# Altium PCB LimeSDR-QPCIe_1v2.PcbDoc (part 20 of 21) (continued)
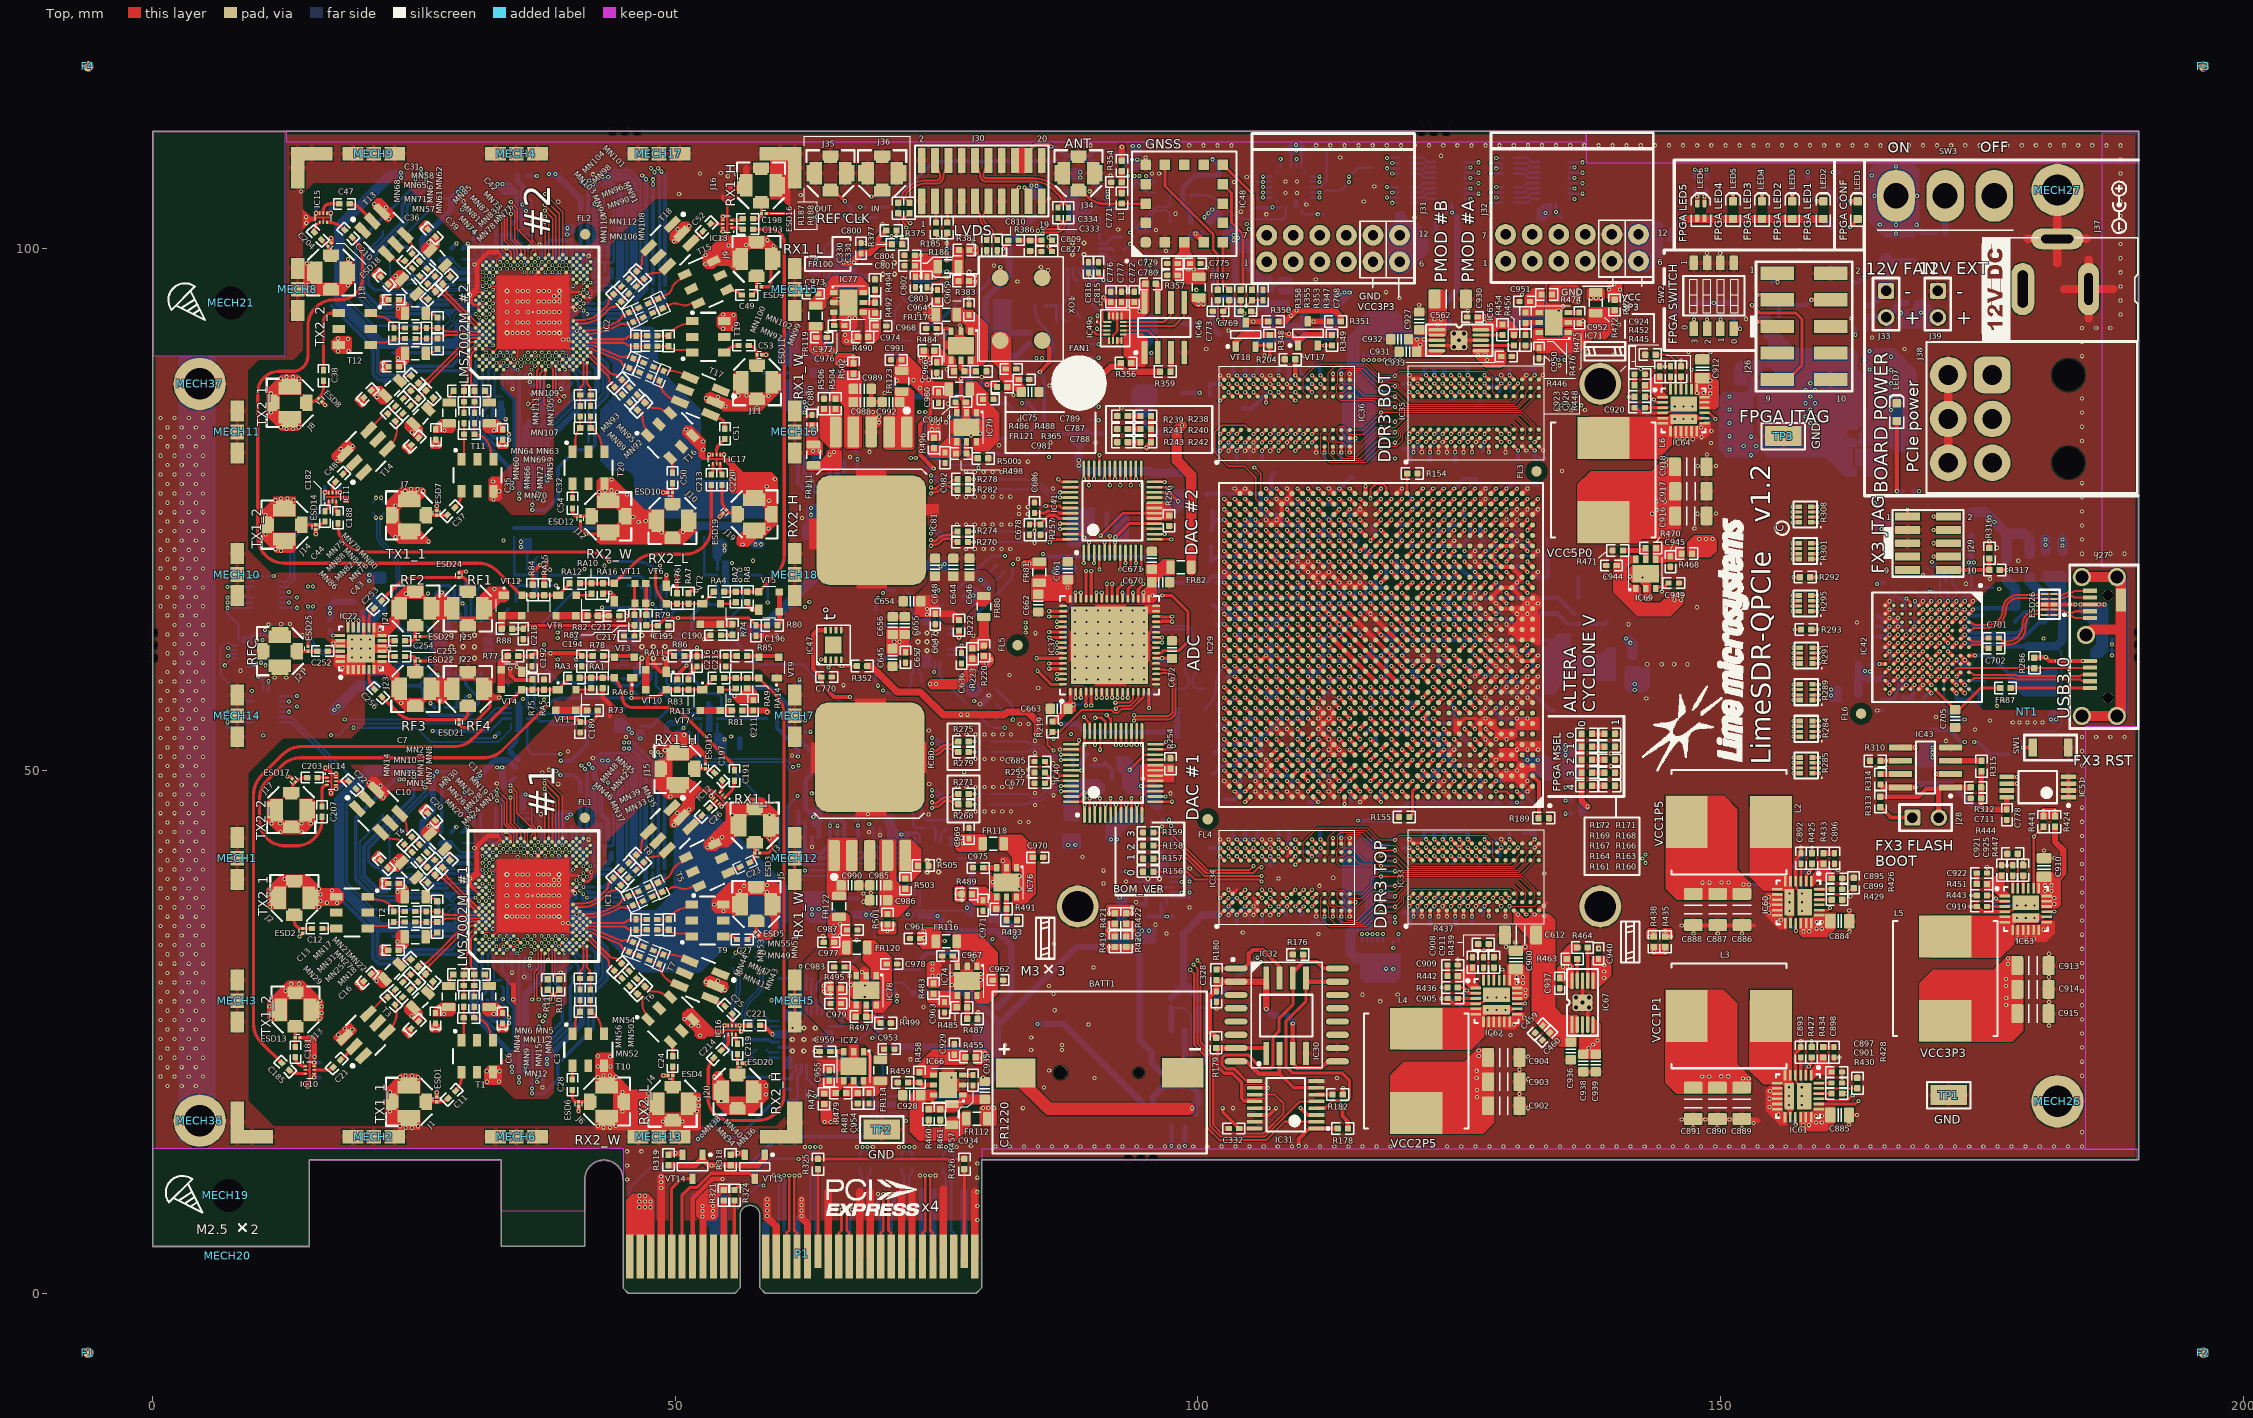
[diagram p0: Top view]
## Nets (pads, with @x,y where several pads share a name; then routed paths per layer and width w, separated by ;. In a path a pad name is that pad's centre, name@x,y a point inside that pad or via, vN(x,y) a via of type N, cw(c..) or ccw(c..) an arc to the next point about the centre after c; other vN are vias at no path point) (continued)
VCC12P0_PCIE: C753.1 C754.1 C755.1 C756.1 C757.1 IC58.2 P1.A2 P1.A3 P1.B1 P1.B2 P1.B3 R418.2 VT20.1 VT20.2 VT20.3
  other v1: 46.55,8.225 47.1,8.225 47.625,8.225 46.55,8.775 47.1,8.775 47.625,8.775 46.575,9.325 47.1,9.325 152.925,80.18 150.875,80.725 152.225,81.055 153.425,81.055 152.925,81.95 150.875,81.995 150.875,83.265 150.875,84.535 150.875,85.805
VCC_ADCDRV: C644.2 C645.2 C646.2 C647.1 C648.2 C654.2 C655.2 C656.2 C657.1 FR80.2 IC38.3 IC38.4 IC38.9 IC38.10 R222.2 | length 7
  Top w0.6: C647.1@74.875,65 76.55,65 R222.2@77.125,64.425
  L4 w1: 71.2,62.325 v1(71.45,62.325) 71.975,62.85 71.975,63.35 73,64.375 73.5,64.375 v1(74.075,64.95) 74.075,65.2
  other v1: 70.95,62.325 74.075,65.45
VCC_CFX3: C708.1 C709.2 C710.2 FR90.1 FR91.1 IC42.B6 R311.1 | length 29.7
  Top w0.4: IC42.B6@172.975,61.8 v1(173.375,62.2)
  Bottom w0.2: R311.1@178.95,53.8 182.05,53.8 182.625,54.375 182.625,61.386 182.125,61.886
  Bottom w0.4: v1(173.375,62.2) 173.475,62.1 177.075,62.1 C708.1@177.275,61.9 C709.2@178.275,61.9 C710.2@179.375,61.9
  Bottom w0.8: C710.2@179.375,61.9 179.389,61.886 182.125,61.886 182.711,62.472 FR90.1@182.711,68.736 ; FR91.1@181.155,68.761 FR90.1@182.711,68.761
VDIO_DAC_CLK: C842.2 C843.2 C844.2 C845.2 C846.2 C851.2 FR107.2 IC55.2 IC55.6 IC55.14 IC55.18 | length 20.9
  L6 w0.6: v1(92.525,37.85) 93.4,37.85 94.125,38.575 ; v1(93.125,40.35) 94.125,39.35 94.125,38.575 ; v1(99.2,39.375) v1(99.2,38.35) 98.475,37.625 95.075,37.625 94.125,38.575
  Bottom w0.254: 92.525,37.35 v1(92.525,37.85) C845.2@92.525,38.35 IC55.14@93.85,38.35 IC55.14@94.202,38.35 ; C846.2@92.525,40.325 92.55,40.35 IC55.18@93.85,40.35 IC55.18@94.202,40.35 ; IC55.6@97.35,37.85 IC55.6@97.7,37.85 99.175,37.85 99.2,37.875 99.2,39.85 IC55.2@97.35,39.85
VDIO_DAC_FPGA: C384.2 C385.2 C386.2 C387.2 C388.2 C389.1 C479.1 C480.1 C481.1 C482.1 C483.1 C484.1 C485.1 C486.1 C487.1 C488.1 C489.1 C490.1 C491.1 C866.1 FR107.1 IC29.C28 IC29.F27 IC29.G30 IC29.J26 IC29.K23 IC29.K29 IC29.L22 IC29.M24 IC29.M25 IC29.N28 IC29.P21 IC29.P24 IC29.R24 IC57.11 R420.1 R422.1 R461.1 | length 115.2
  Top w0.4: v1(75.35,16.15) R461.1@75.35,16.6 ; v1(102.525,54) IC29.G30@103.025,53.5 ; v1(103.525,57) IC29.K29@104.025,56.5 ; v1(104.525,50) IC29.C28@105.025,49.5 ; v1(104.525,60) IC29.N28@105.025,59.5 ; v1(105.525,53) IC29.F27@106.025,52.5 ; v1(106.525,56) IC29.J26@107.025,55.5 ; v1(107.525,59) IC29.M25@108.025,58.5 ; v1(108.525,59) IC29.M24@109.025,58.5 ; v1(108.525,61) IC29.P24@109.025,60.5 ; v1(108.525,62) IC29.R24@109.025,61.5 ; v1(109.525,57) IC29.K23@110.025,56.5 ; v1(110.525,58) IC29.L22@111.025,57.5 ; v1(111.525,61) IC29.P21@112.025,60.5
  L12 w0.4: v1(104.525,60) 103.975,59.45 102.425,59.45 101.275,60.6 101.275,61.15 99.525,62.9 99.525,84.25 98.7,85.075 98.7,94.15 100.05,95.5 100.057,95.5 104.325,99.768 104.325,101.3 104.075,101.55 104.075,102.575 106.225,104.725 v1(106.225,104.825)
  L8 w0.4: v1(75.35,16.15) 76.675,16.15 82.55,22.025 83.85,22.025 93.15,31.325 93.15,34.175 v1(93.675,34.7)
  Bottom w0.254: C866.1@105.675,104.825 v1(106.225,104.825) IC57.11@107,104.825
  Bottom w0.4: C385.2@101.6,51.75 101.825,51.75 102.025,51.95 102.025,52.5 105.025,52.5 v1(105.525,53) 105.525,53.05 C481.1@105.025,53.55 ; C387.2@101.825,54.325 102.2,54.325 v1(102.525,54) ; C384.2@102.575,47.25 103.482,47.25 104.025,47.793 104.025,49.5 v1(104.525,50) ; C386.2@102.775,58.8 102.775,58.957 103.318,59.5 104.025,59.5 v1(104.525,60) ; C482.1@103.025,53.525 103,53.525 v1(102.525,54) ; C389.1@103.025,54.45 102.975,54.45 v1(102.525,54) ; C483.1@103.075,56.5 103.525,56.95 v1(103.525,57) ; C388.2@105,50.5 105,50.475 v1(104.525,50) ; C479.1@106,49.525 106,49.5 105.025,49.5 C480.1@104.975,49.55 v1(104.525,50) ; C489.1@106.05,55.5 106.525,55.975 v1(106.525,56) ; C486.1@107.05,58.475 107.525,58.95 v1(107.525,59) ; C487.1@108,59.525 v1(108.525,59) ; C491.1@108,60.5 108.025,60.5 v1(108.525,61) ; C490.1@108,61.475 v1(108.525,62) ; C485.1@109.025,57.5 v1(109.525,57) ; C484.1@110,56.525 110,57.475 v1(110.525,58) ; C488.1@111.05,60.475 111.05,60.525 v1(111.525,61)
  other v1: 93.175,34.7
VDIO_LMS1: C78.2 C83.2 C874.2 C875.1 FR110.2 IC3.8 IC4.1 IC4.2 IC4.3 IC4.8 R2.2 R5.1 R6.2 R8.2 R9.1 R40.1 R41.1 R44.1 R46.1 | length 69.8
  L4 w1.5: 40,45.466 47.309,45.466 55.475,37.3 60.225,37.3 60.925,36.6 63,36.6 66.975,40.575 66.975,44.825 66,45.8 63.475,45.8
  Bottom w0.4: R44.1@62.78,46.064 63.105,46.064 63.405,45.764 ; 63.405,45.439 R46.1@63.405,44.964 63.725,44.644 ; IC4.8@63.725,43.65 63.725,44.569 ; C78.2@67.08,45.489 67.47,45.099 v1(67.47,44.754) IC3.8@67.47,43.65
  Bottom w0.45: R6.2@56.7,57.95 59.125,57.95 60.875,56.2 ; R2.2@61.875,57.2 60.875,56.2 ; 63.405,45.439 62.45,46.394 62.45,49.1 63.1,49.75 63.1,51.775 61.4,53.475 R5.1@61.4,53.725 60.875,54.25 R8.2@60.875,54.8 60.875,56.2
  Bottom w0.6: v1(30.95,49.175) v1(31.313,49.538) 32.775,51 34,51 R9.1@34.65,50.35 ; R41.1@35.405,46.44 35.412,46.44 35.412,47.441 v1(35.687,47.716)
  other v1: 63.075,36.225 63.075,36.75 63.725,36.75 39.637,45.466 63.205,45.564 40,45.8
VDIO_LMS2: C139.2 C140.2 C880.2 C881.1 FR111.2 IC5.8 IC6.1 IC6.2 IC6.3 IC6.8 R22.2 R25.1 R26.2 R27.2 R28.1 R57.1 R58.1 R61.1 R62.1 | length 129.2
  L3 w0.6: v1(63.175,80.575) 63.375,80.375 ; 63.2,75.225 63.6,75.625 63.6,76.9 64.675,77.975 ; v1(63.8,80.575) 63.6,80.375 63.375,80.375 ; v1(67.44,79.79) 65.625,77.975 64.675,77.975 ; 63.375,80.375 63.375,79.275 64.675,77.975
  L12 w0.4: v1(67.44,79.79) 67.44,77.385 74.275,70.55 77.1,70.55 78.675,68.975 84.225,68.975 85.175,69.925 v1(85.175,70.725)
  L9 w0.7: v1(39.663,101.303) 39.663,108.525
  L9 w1.2: 35.521,103.746 35.375,103.891 v1(35.375,104.15) 35.375,107.125 37.05,108.8
  L9 w1.4: 37.05,108.875 48.875,108.875 53.275,104.475 53.275,100.6 60.5,93.375 60.5,89.775 63.9,86.375 63.9,81.2 63.575,80.875
  Bottom w0.4: 63.075,81.1 63.375,80.8 R62.1@63.375,80 63.695,79.68 ; IC6.8@63.695,78.686 63.695,79.605 ; C139.2@67.25,80.525 67.44,80.335 v1(67.44,79.79) IC5.8@67.44,78.686 ; v1(85.175,70.725) 85.425,70.475 95.225,70.475 97.7,68 R25.1@100.775,68 100.786,68 101.386,68.6 102.218,68.6 102.318,68.5 104.732,68.5 105.318,68.5 R26.2@106.025,68.5
  Bottom w0.5: R28.1@34.875,106.95 R28.1@34.875,106.925 34.875,106.4 35.625,105.65 35.388,105.413 35.388,103.878 v1(35.713,103.553)
  Bottom w0.6: R58.1@35.432,102.277 35.438,102.277 35.438,103.278 v1(35.713,103.553) ; R57.1@40.002,101.702 R57.1@40.132,101.702 ; 64.1,73.588 64.175,73.512 C881.1@64.175,71.35
  other v1: 63,74.475 63,75.125 39.675,101.9
VDIO_LMS_FPGA: C378.2 C379.2 C380.2 C381.2 C382.2 C383.1 C492.1 C493.1 C494.1 C495.1 C496.1 C497.1 C498.1 C499.1 C500.1 C501.1 C502.1 C503.1 C504.1 C505.1 FR110.1 FR111.1 IC29.AA22 IC29.AB25 IC29.AC28 IC29.AE24 IC29.AF27 IC29.AG30 IC29.T26 IC29.T27 IC29.U24 IC29.U30 IC29.W23 IC29.W25 IC29.W26 IC29.Y29 R419.1 R421.1 | length 100.2
  Top w0.4: v1(102.525,64) IC29.U30@103.025,63.5 ; v1(102.525,74) IC29.AG30@103.025,73.5 ; v1(103.525,67) IC29.Y29@104.025,66.5 ; v1(104.525,70) IC29.AC28@105.025,69.5 ; v1(105.525,63) IC29.T27@106.025,62.5 ; v1(105.525,73) IC29.AF27@106.025,72.5 ; v1(106.525,63) IC29.T26@107.025,62.5 ; v1(106.525,66) IC29.W26@107.025,65.5 ; v1(107.525,66) IC29.W25@108.025,65.5 ; v1(107.525,69) IC29.AB25@108.025,68.5 ; v1(108.525,64) IC29.U24@109.025,63.5 ; v1(108.525,72) IC29.AE24@109.025,71.5 ; v1(109.525,66) IC29.W23@110.025,65.5 ; v1(110.525,68) IC29.AA22@111.025,67.5
  L4 w1.5: 87.725,29.75 88.825,30.85 88.825,32.475 91.075,34.725 v1(91.525,34.725)
  L4 w2: 68.425,35.675 68.425,34.625 75.1,27.95 75.1,19.45 78.55,16 84.6,16 88.775,20.175 88.775,24.15 87.725,25.2 87.725,29.75 84.95,32.525 84.95,42.745 83.872,43.822
  Bottom w0.4: C381.2@101.3,71.425 101.25,71.375 C379.2@101.25,69.95 101.8,70.5 104.025,70.5 v1(104.525,70) 104.025,69.5 C500.1@103.975,69.5 ; C378.2@101.3,72.975 101.3,73.55 C378.2@101.425,73.675 ; C378.2@101.3,73.2 101.425,73.325 C378.2@101.425,73.675 ; C380.2@101.425,74.825 C378.2@101.425,73.675 ; C496.1@101.8,64 v1(102.525,64) ; v1(102.525,74) 101.75,74 C378.2@101.425,73.675 ; v1(103.525,67) C494.1@104.05,66.475 ; C497.1@105,62.525 105.05,62.525 v1(105.525,63) ; C499.1@105,72.525 105.05,72.525 v1(105.525,73) 105.575,73 C501.1@106.025,72.55 ; C498.1@106.025,62.475 106.525,62.975 v1(106.525,63) ; v1(106.525,66) 106.55,66 C492.1@107.025,65.525 ; C383.1@107.025,72.525 107.025,72.5 107.732,72.5 107.757,72.525 107.975,72.525 C502.1@108,72.5 108.5,72 v1(108.525,72) ; C382.2@107.075,69.5 107.075,69.425 C505.1@108,68.5 ; v1(107.525,66) 107.55,66 C493.1@108.025,65.525 ; C495.1@108.075,63.525 108.525,63.975 v1(108.525,64) ; C503.1@109.025,65.55 109.075,65.55 v1(109.525,66) ; v1(110.525,68) 110.525,67.95 C504.1@110.975,67.5
  Bottom w0.8: FR110.1@67.2,36.2 v1@68.65,36.2
  other v1: 92.05,34.725 68.25,36.2 68.825,36.2 83.525,63.225 83.525,63.675 83.525,64.175 64.75,80.225 65.2,80.475
VREF_DDR3_BOT: C411.1 C412.1 C606.1 C631.1 C933.1 IC29.AH16 IC29.AJ13 IC35.H1 IC35.M8 IC36.H1 IC36.M8 IC65.6 | length 69.8
  Top w0.3: IC65.6@127.075,90.175 127.825,90.175 127.975,90.025 127.975,89.425
  Top w0.309: v1(107.725,80.6) IC36.H1@108.125,81 ; v1(110.925,87) IC36.M8@111.325,86.6 ; v1(126.225,80.459) IC35.H1@126.225,81.025 ; IC35.M8@129.425,86.625 v1(129.825,87.025)
  Top w0.4: IC29.AH16@117.025,74.5 v1(117.525,75) ; IC29.AJ13@120.025,75.5 v1(120.525,76)
  L6 w0.8: v1(110.925,87) 110.735,87 110.225,87.51 110.225,88.1 111.375,89.25 114.2,89.25 115.45,90.5 119.625,90.5 120.405,89.72 127.38,89.72 v1@127.7,89.4
  L10 w0.15: v1(117.525,75) 117.975,74.55 117.975,74.02 118.37,73.625 119.8,73.625 120.075,73.9 120.075,75.55 v1(120.525,76)
  L10 w0.2: v1(107.725,80.6) 108.125,80.2 109.6,80.2 110.525,81.125 110.525,86.6 v1(110.925,87)
  L12 w0.8: v1(120.525,76) 120.525,76.99 121.66,78.125 125.659,78.125 127.109,79.575 ; v1(126.225,80.459) 127.109,79.575 ; v1(126.8,89.775) v1(127.5,89.775) 128.25,89.025 128.25,86.7 128.8,86.15 ; v1(129.825,87.025) 129.825,86.575 129.4,86.15 128.8,86.15 ; 127.109,79.575 128.15,79.575 128.6,80.025 128.6,80.86 128.325,81.135 128.325,85.675 128.8,86.15
  Bottom w0.254: v1(129.825,87.025) 129.9,86.95 C631.1@129.9,86.25
  Bottom w0.3: C606.1@109.701,88.674 109.701,88.224 v1(110.925,87) ; C411.1@120.025,76.475 120.05,76.475 v1(120.525,76)
  Bottom w0.4: C412.1@117.025,74.5 v1(117.525,75)
  other v1: 127.65,89.275
VREF_DDR3_TOP: C390.1 C391.1 C556.1 C581.1 C940.1 IC29.B9 IC29.B16 IC33.H1 IC33.M8 IC34.H1 IC34.M8 IC67.6 | length 93.8
  Top w0.3: IC67.6@137.8,29.85 IC67.6@137.8,29.9 137.8,30.6 137.95,30.75 138.55,30.75
  Top w0.309: v1(107.725,36.2) IC34.H1@108.125,36.6 ; v1(110.925,42.6) IC34.M8@111.325,42.2 ; v1(126.225,36.059) IC33.H1@126.225,36.625 ; IC33.M8@129.425,42.225 v1(129.825,42.625)
  Top w0.4: IC29.B16@117.025,48.5 v1(117.525,49) ; IC29.B9@124.025,48.5 v1(124.525,49)
  L12 w0.4: v1(117.525,49) 117.875,49 118.4,48.475 120.05,48.475 120.7,47.825 121.375,48.5 124.025,48.5 v1(124.525,49)
  L12 w0.6: v1(110.925,42.6) 110.876,42.6 110.325,42.049 110.325,41.175 115.3,36.2 115.3,34.975 114.775,34.45
  L12 w0.8: v1(107.725,36.2) 108.85,35.075 114.15,35.075 114.775,34.45 114.775,33.65 116.225,32.2 122.556,32.2 v1@126.225,35.869 ; 120.7,47.825 120.7,47.475 122.05,46.125 125.85,46.125 128.175,43.8 128.175,40.975 129.2,39.95 ; v1(126.225,36.059) v1@126.225,35.869 ; v1(129.825,42.625) 129.825,40.575 129.2,39.95 ; v1@126.225,35.869 127.544,34.55 133.075,34.55 133.325,34.3 133.875,34.85 133.875,37.29 132.615,38.55 130,38.55 129.2,39.35 129.2,39.95
  L12 w1.6: 133.325,34.3 133.325,30.6 134.42,29.505 138.23,29.505 v1(138.875,30.15) 138.875,31.025
  Bottom w0.4: v1(110.925,42.6) 111.575,41.95 C581.1@111.625,41.95 ; C390.1@117.025,48.5 v1(117.525,49) ; C391.1@124,49.525 v1(124.525,49) ; C556.1@126.225,35.475 v1(126.225,36.059)
  other v1: 138.875,30.775 138.875,31.425
VTT_DDR3_BOT: C594.1 C594.2 C594.3 C594.4 C603.1 C603.2 C603.3 C603.4 C611.1 C611.2 C611.3 C611.4 C931.2 C932.2 IC65.3 IC65.5 R200.9 R200.10 R200.11 R200.12 R200.13 R200.14 R200.15 R200.16 R203.9 R203.10 R203.11 R203.12 R203.13 R203.14 R203.15 R203.16 R205.9 R205.10 R205.11 R205.12 R205.13 R205.14 R205.15 R205.16 | length 9.3
  Top w0.3: 121.4,91.175 IC65.3@122.875,91.175 ; 122,90.175 IC65.5@122.875,90.175
  Bottom w1.2: 115.825,86.85 115.825,87.975 114.875,88.925 114.875,91.2 116.05,92.375 116.575,92.375
  other v1: 121.275,90.75 120.975,91.25 121.625,91.25
VTT_DDR3_TOP: C544.1 C544.2 C544.3 C544.4 C553.1 C553.2 C553.3 C553.4 C561.1 C561.2 C561.3 C561.4 C938.2 C939.2 IC67.3 IC67.5 R192.9 R192.10 R192.11 R192.12 R192.13 R192.14 R192.15 R192.16 R195.9 R195.10 R195.11 R195.12 R195.13 R195.14 R195.15 R195.16 R197.9 R197.10 R197.11 R197.12 R197.13 R197.14 R197.15 R197.16 | length 34.9
  Top w0.3: 136.8,24.175 IC67.3@136.8,25.65 ; 137.8,24.775 IC67.5@137.8,25.65
  L3 w1.6: 118.35,30.825 127.225,30.825 128.45,32.05 131.375,32.05 134.35,29.075 134.35,26.775 137.275,23.85 138.025,23.85
  Bottom w1: R192.10@116.5,35.975 116.5,35.425 116.25,35.175 115.369,35.175 115.294,35.1 115.225,35.1 114.6,34.475 114.6,32.625 115.225,32 R197.16@115.7,32 R197.15@116.2,32 R197.14@116.7,32 ; R192.11@116.5,36.375 R192.11@116.5,36.475 R192.12@116.5,36.975
  other v1: 137.4,23.45 137.825,23.8 138.225,24.175 118.7,31.025 118,31.05
XO_VC: R390.2 R395.1 XO1.1 XO2.1 XO3.1 XO4.1 | length 45.5
  Top w0.4: v1(84.877,88.152) 85.775,89.05 85.775,90.475 XO1.1@85.1,91.15
  L12 w0.4: v1(65.1,88.25) 66.125,87.225 70.1,87.225 71.425,85.9 79.675,85.9 81.927,88.152 v1(84.877,88.152)
  Bottom w0.309: XO3.1@81.337,87.408 83.081,87.408 ccw(c83.081,89.948) v1(84.877,88.152) ; R390.2@84.425,94.475 84.425,94.302 ccw(c86.965,94.302) 85.169,92.506 85.281,92.394 cw(c83.485,90.598) 86.025,90.598 86.025,90.352 cw(c83.485,90.352) 85.281,88.556 v1(84.877,88.152) ; R395.1@85,82.375 ccw(c84.276,83.099) 85.3,83.099 85.3,87.131 ccw(c83.856,87.131) v1(84.877,88.152)
  Bottom w0.4: v1(65.1,88.25) 66.075,87.275 XO4.1@68.025,87.275
pads on no net: BATT1.MECH C1.0 C2.0 C3.0 C4.0 C5.0 C6.0 C7.0 C8.0 C9.0 C10.0 C11.0 C12.0 C13.0 C14.0 C15.0 C16.0 C17.0 C18.0 C19.0 C20.0 C21.0 C22.0 C23.0 C24.0 C25.0 C26.0 C27.0 C28.0 C29.0 C30.0 C31.0 C32.0 C33.0 C34.0 C35.0 C36.0 C37.0 C38.0 C39.0 C40.0 C41.0 C42.0 C43.0 C44.0 C45.0 C46.0 C47.0 C48.0 C49.0 C50.0 C51.0 C52.0 C53.0 C54.0 C78.0 C83.0 C139.0 C140.0 C177.0 C178.0 C179.0 C180.0 C181.0 C182.0 C183.0 C184.0 C185.0 C186.0 C187.0 C188.0 C189.0 C190.0 C191.0 C192.0 C193.0 C194.0 C195.0 C196.0 C197.0 C198.0 C199.0 C200.0 C201.0 C202.0 C203.0 C204.0 C205.0 C206.0 C207.0 C208.0 C209.0 C210.0 C211.0 C212.0 C213.0 C214.0 C215.0 C216.0 C217.0 C218.0 C219.0 C220.0 C221.0 C222.0 C223.0 C224.0 C225.0 C226.0 C227.0 C228.0 C229.0 C230.0 C231.0 C232.0 C233.0 C234.0 C235.0 C236.0 C237.0 C238.0 C239.0 C240.0 C241.0 C242.0 C243.0 C244.0 C245.0 C246.0 C247.0 C248.0 C249.0 C250.0 C251.0 C252.0 C253.0 C254.0 C255.0 C256.0 C257.0 C258.0 C259.0 C260.0 C261.0 C262.0 C263.0 C264.0 C265.0 C266.0 C267.0 C268.0 C269.0 C270.0 C271.0 C272.0 C273.0 C274.0 C275.0 C276.0 C277.0 C278.0 C279.0 C280.0 C281.0 C282.0 C283.0 C284.0 C285.0 C286.0 C287.0 C288.0 C289.0 C290.0 C291.0 C292.0 C293.0 C294.0 C295.0 C296.0 C297.0 C298.0 C299.0 C300.0 C301.0 C302.0 C303.0 C304.0 C305.0 C306.0 C307.0 C308.0 C309.0 C310.0 C311.0 C312.0 C313.0 C314.0 C315.0 C316.0 C317.0 C318.0 C319.0 C320.0 C321.0 C322.0 C323.0 C324.0 C325.0 C326.0 C327.0 C328.0 C329.0 C330.0 C331.0 C332.0 C333.0 C334.0 C335.0 C336.0 C337.0 C338.0 C339.0 C340.0 C341.0 C342.0 C343.0 C344.0 C345.0 C346.0 C347.0 C348.0 C349.0 C350.0 C351.0 C352.0 C353.0 C354.0 C355.0 C356.0 C357.0 C358.0 C359.0 C360.0 C361.0 C362.0 C363.0 C364.0 C365.0 C366.0 C367.0 C368.0 C369.0 C370.0 C371.0 C372.0 C373.0 C374.0 C375.0 C376.0 C377.0 C378.0 C379.0 C380.0 C381.0 C382.0 C383.0 C384.0 C385.0 C386.0 C387.0 C388.0 C389.0 C390.0 C391.0 C392.0 C393.0 C394.0 C395.0 C396.0 C397.0 C398.0 C399.0 C400.0 C401.0 C402.0 C403.0 C404.0 C405.0 C406.0 C407.0 C408.0 C409.0 C410.0 C411.0 C412.0 C413.0 C414.0 C415.0 C416.0 C417.0 C418.0 C419.0 C420.0 C421.0 C422.0 C423.0 C424.0 C425.0 C426.0 C427.0 C428.0 C429.0 C430.0 C431.0 C432.0 C433.0 C434.0 C435.0 C436.0 C437.0 C438.0 C439.0 C440.0 C441.0 C442.0 C443.0 C444.0 C445.0 C446.0 C447.0 C448.0 C449.0 C450.0 C451.0 C452.0 C453.0 C454.0 C455.0 C456.0 C457.0 C458.0 C459.0 C460.0 C461.0 C462.0 C463.0 C464.0 C465.0 C466.0 C467.0 C468.0 C469.0 C470.0 C471.0 C472.0 C473.0 C474.0 C475.0 C476.0 C477.0 C478.0 C479.0 C480.0 C481.0 C482.0 C483.0 C484.0 C485.0 C486.0 C487.0 C488.0 C489.0 C490.0 C491.0 C492.0 C493.0 C494.0 C495.0 C496.0 C497.0 C498.0 C499.0 C500.0 C501.0 C502.0 C503.0 C504.0 C505.0 C506.0 C507.0 C508.0 C509.0 C510.0 C511.0 C512.0 C513.0 C514.0 C515.0 C516.0 C517.0 C518.0 C519.0 C520.0 C521.0 C522.0 C523.0 C524.0 C525.0 C526.0 C527.0 C528.0 C529.0 C530.0 C531.0 C532.0 C533.0 C534.0 C535.0 C536.0 C537.0 C538.0 C539.0 C540.0 C541.0 C542.0 C543.0 C545.0 C546.0 C547.0 C548.0 C549.0 C550.0 C551.0 C552.0 C554.0 C555.0 C556.0 C557.0 C558.0 C559.0 C560.0 C562.0 C563.0 C564.0 C565.0 C566.0 C567.0 C568.0 C569.0 C570.0 C571.0 C572.0 C573.0 C574.0 C575.0 C576.0 C577.0 C578.0 C579.0 C580.0 C581.0 C582.0 C583.0 C584.0 C585.0 C586.0 C587.0 C588.0 C589.0 C590.0 C591.0 C592.0 C593.0 C595.0 C596.0 C597.0 C598.0 C599.0 C600.0 C601.0 C602.0 C604.0 C605.0 C606.0 C607.0 C608.0 C609.0 C610.0 C612.0 C613.0 C614.0 C615.0 C616.0 C617.0 C618.0 C619.0 C620.0 C621.0 C622.0 C623.0 C624.0 C625.0 C626.0 C627.0 C628.0 C629.0 C630.0 C631.0 C632.0 C633.0 C634.0 C635.0 C636.0 C637.0 C638.0 C639.0 C640.0 C641.0 C642.0 C643.0 C644.0 C645.0 C646.0 C647.0 C648.0 C649.0 C650.0 C651.0 C652.0 C653.0 C654.0 C655.0 C656.0 C657.0 C658.0 C659.0 C660.0 C661.0 C662.0 C663.0 C664.0 C665.0 C666.0 C667.0 C668.0 C669.0 C670.0 C671.0 C672.0 C673.0 C674.0 C675.0 C676.0 C677.0 C678.0 C679.0 C680.0 C681.0 C682.0 C683.0 C684.0 C685.0 C686.0 C687.0 C688.0 C689.0 C690.0 C691.0 C692.0 C693.0 C694.0 C695.0 C696.0 C697.0 C698.0 C699.0 C700.0 C701.0 C702.0 C703.0 C704.0 C705.0 C706.0 C707.0 C708.0 C709.0 C710.0 C711.0 C712.0 C713.0 C714.0 C715.0 C716.0 C717.0 C718.0 C719.0 C720.0 C721.0 C722.0 C723.0 C724.0 C725.0 C726.0 C727.0 C728.0 C729.0 C730.0 C731.0 C732.0 C733.0 C734.0 C735.0 C736.0 C737.0 C738.0 C739.0 C740.0 C741.0 C742.0 C743.0 C744.0 C745.0 C746.0 C747.0 C748.0 C749.0 C750.0 C751.0 C752.0 C753.0 C754.0 C755.0 C756.0 C757.0 C758.0 C759.0 C760.0 C761.0 C762.0 C763.0 C764.0 C765.0 C766.0 C767.0 C768.0 C769.0 C770.0 C771.0 C772.0 C773.0 C774.0 C775.0 C776.0 C777.0 C778.0 C779.0 C780.0 C781.0 C782.0 C783.0 C784.0 C785.0 C786.0 C787.0 C788.0 C789.0 C790.0 C791.0 C792.0 C793.0 C794.0 C795.0 C796.0 C797.0 C798.0 C799.0 C800.0 C801.0 C802.0 C803.0 C804.0 C805.0 C806.0 C807.0 C808.0 C809.0 C810.0 C811.0 C812.0 C813.0 C814.0 C815.0 C816.0 C817.0 C818.0 C819.0 C820.0 C821.0 C822.0 C823.0 C824.0 C825.0 C826.0 C827.0 C828.0 C829.0 C830.0 C831.0 C832.0 C833.0 C834.0 C835.0 C836.0 C837.0 C838.0 C839.0 C840.0 C841.0 C842.0 C843.0 C844.0 C845.0 C846.0 C847.0 C848.0 C849.0 C850.0 C851.0 C852.0 C853.0 C854.0 C855.0 C856.0 C857.0 C858.0 C859.0 C860.0 C861.0 C862.0 C863.0 C864.0 C865.0 C866.0 C867.0 C868.0 C869.0 C870.0 C871.0 C872.0 C873.0 C874.0 C875.0 C876.0 C877.0 C878.0 C879.0 C880.0 C881.0 C882.0 C883.0 C884.0 C885.0 C886.0 C887.0 C888.0 C889.0 C890.0 C891.0 C892.0 C893.0 C894.0 C895.0 C896.0 C897.0 C898.0 C899.0 C900.0 C901.0 C902.0 C903.0 C904.0 C905.0 C906.0 C907.0 C908.0 C909.0 C910.0 C911.0 C912.0 C913.0 C914.0 C915.0 C916.0 C917.0 C918.0 C919.0 C920.0 C921.0 C922.0 C923.0 C924.0 C925.0 C926.0 C927.0 C928.0 C929.0 C930.0 C931.0 C932.0 C933.0 C934.0 C935.0 C936.0 C937.0 C938.0 C939.0 C940.0 C941.0 C942.0 C943.0 C944.0 C945.0 C946.0 C947.0 C948.0 C949.0 C950.0 C951.0 C952.0 C953.0 C954.0 C955.0 C956.0 C957.0 C958.0 C959.0 C960.0 C961.0 C962.0 C963.0 C964.0 C965.0 C966.0 C967.0 C968.0 C969.0 C970.0 C971.0 C972.0 C973.0 C974.0 C975.0 C976.0 C977.0 C978.0 C979.0 C980.0 C981.0 C982.0 C983.0 C984.0 C985.0 C986.0 C987.0 C988.0 C989.0 C990.0 C991.0 C992.0 F1.1 F2.1 F3.1 F4.1 F5.1 F6.1 F7.1 F8.1 FL1.1 FL2.1 FL3.1 FL4.1 FL5.1 FL6.1 FL7.1 FL8.1 FL9.1 FR71.0 FR72.0 FR73.0 FR74.0 FR75.0 FR76.0 FR77.0 FR78.0 FR79.0 FR80.0 FR81.0 FR82.0 FR83.0 FR84.0 FR85.0 FR86.0 FR87.0 FR88.0 FR89.0 FR90.0 FR91.0 FR92.0 FR93.0 FR94.0 FR95.0 FR96.0 FR97.0 FR98.0 FR99.0 FR100.0 FR101.0 FR106.0 FR107.0 FR110.0 FR111.0 FR112.0 FR113.0 FR114.0 FR115.0 FR116.0 FR117.0 FR118.0 FR119.0 FR120.0 FR121.0 FR122.0 FR123.0 IC1.A5 IC1.A21 IC1.AE1 IC1.AE5 IC1.AG3 IC1.AG33 IC1.AH2 IC1.AH4 IC1.AH32 IC1.AJ1 IC1.AJ3 IC1.AJ5 IC1.AJ11 IC1.AJ13 IC1.AJ21 IC1.AJ27 IC1.AJ29 IC1.AJ31 IC1.AJ33 IC1.AK2 IC1.AK4 IC1.AK6 IC1.AK8 IC1.AK10 IC1.AK26 IC1.AK28 IC1.AK30 IC1.AK32 IC1.AK34 IC1.AL3 IC1.AL5 IC1.AL7 IC1.AL9 IC1.AL11 IC1.AL27 IC1.AL29 IC1.AL31 IC1.AL33 IC1.AM6 IC1.AM10 IC1.AM28 IC1.AM30 IC1.AM34 IC1.AN27 IC1.AN29 IC1.AN31 IC1.AP30 IC1.AP32 IC1.B2 IC1.B4 IC1.B22 IC1.C1 IC1.C3 IC1.C5 IC1.C9 IC1.C13 IC1.C15 IC1.C17 IC1.C19 IC1.C31 IC1.D2 IC1.D4 IC1.D8 IC1.D10 IC1.D12 IC1.D14 IC1.D18 IC1.D22 IC1.D30 IC1.D32 IC1.E3 IC1.E9 IC1.E11 IC1.E13 IC1.E15 IC1.E23 IC1.E29 IC1.E31 IC1.F2 IC1.F4 IC1.F10 IC1.F12 IC1.F14 IC1.F16 IC1.F22 IC1.F26 IC1.F32 IC1.G1 IC1.G29 IC1.J1 IC1.M2 IC1.M6 IC2.A5 IC2.A21 IC2.AE1 IC2.AE5 IC2.AG3 IC2.AG33 IC2.AH2 IC2.AH4 IC2.AH32 IC2.AJ1 IC2.AJ3 IC2.AJ5 IC2.AJ11 IC2.AJ13 IC2.AJ21 IC2.AJ27 IC2.AJ29 IC2.AJ31 IC2.AJ33 IC2.AK2 IC2.AK4 IC2.AK6 IC2.AK8 IC2.AK10 IC2.AK26 IC2.AK28 IC2.AK30 IC2.AK32 IC2.AK34 IC2.AL3 IC2.AL5 IC2.AL7 IC2.AL9 IC2.AL11 IC2.AL27 IC2.AL29 IC2.AL31 IC2.AL33 IC2.AM6 IC2.AM10 IC2.AM28 IC2.AM30 IC2.AM34 IC2.AN27 IC2.AN29 IC2.AN31 IC2.AP30 IC2.AP32 IC2.B2 IC2.B4 IC2.B22 IC2.C1 IC2.C3 IC2.C5 IC2.C9 IC2.C13 IC2.C15 IC2.C17 IC2.C19 IC2.C31 IC2.D2 IC2.D4 IC2.D8 IC2.D10 IC2.D12 IC2.D14 IC2.D18 IC2.D22 IC2.D30 IC2.D32 IC2.E3 IC2.E9 IC2.E11 IC2.E13 IC2.E15 IC2.E23 IC2.E29 IC2.E31 IC2.F2 IC2.F4 IC2.F10 IC2.F12 IC2.F14 IC2.F16 IC2.F22 IC2.F26 IC2.F32 IC2.G1 IC2.G29 IC2.J1 IC2.M2 IC2.M6 IC8.9 IC19.9 IC19.16 IC19.19 IC21.11 IC21.12 IC21.18 IC21.20 IC21.22 IC21.24 IC21.27 IC21.28 IC24.9 IC24.16 IC24.19 IC27.9 IC27.16 IC27.19 IC29.A4 IC29.A5 IC29.AA15 IC29.AB7 IC29.AD8 IC29.AD14 IC29.AE7 IC29.B3 IC29.B4 IC29.D3 IC29.D4 IC29.D7 IC29.D8 IC29.D15 IC29.E1 IC29.E2 IC29.E7 IC29.E8 IC29.F3 IC29.F4 IC29.F24 IC29.G1 IC29.G2 IC29.G17 IC29.H3 IC29.H4 IC29.H9 IC29.J1 IC29.J2 IC29.J9 IC29.K3 IC29.K4 IC29.K8 IC29.L7 IC29.T3 IC29.T4 IC29.V3 IC29.V4 IC32.0 IC32.3 IC32.4 IC32.5 IC32.6 IC32.11 IC32.12 IC32.13 IC32.14 IC33.J1 IC33.J9 IC33.L1 IC33.L9 IC33.M7 IC33.T7 IC34.J1 IC34.J9 IC34.L1 IC34.L9 IC34.M7 IC34.T7 IC35.J1 IC35.J9 IC35.L1 IC35.L9 IC35.M7 IC35.T7 IC36.J1 IC36.J9 IC36.L1 IC36.L9 IC36.M7 IC36.T7 IC39.0 IC40.41 IC41.41 IC42.A11 IC42.C4 IC42.D6 IC42.D7 IC42.D11 IC42.H2 IC42.H3 IC42.J1 IC42.J2 IC42.J3 IC42.J4 IC42.K1 IC42.K2 IC44.21 IC45.21 IC47.9 IC48.7 IC48.8 IC48.11 IC48.12 IC50.4 IC50.5 IC50.6 IC50.7 IC50.8 IC50.9 IC50.10 IC50.11 IC50.12 IC52.11 IC52.12 IC52.20 IC52.22 IC55.9 IC55.10 IC55.13 IC55.15 IC55.17 IC56.0 IC57.8 IC57.17 IC58.5 IC59.5 IC60.21 IC62.21 IC63.21 IC64.21 IC70.0 IC80.0 IC81.0 J26.6 J26.7 J26.8 J27.0 J29.7 J29.9 J38.0 L1.0 LED1.0 LED2.0 LED3.0 LED4.0 LED5.0 LED6.0 LED7.0 MN1.0 MN2.0 MN3.0 MN4.0 MN5.0 MN6.0 MN7.0 MN8.0 MN9.0 MN10.0 MN11.0 MN12.0 MN13.0 MN14.0 MN15.0 MN16.0 MN17.0 MN18.0 MN19.0 MN20.0 MN21.0 MN22.0 MN23.0 MN24.0 MN25.0 MN26.0 MN27.0 MN28.0 MN29.0 MN30.0 MN31.0 MN32.0 MN33.0 MN34.0 MN35.0 MN36.0 MN37.0 MN38.0 MN39.0 MN40.0 MN41.0 MN42.0 MN43.0 MN44.0 MN45.0 MN46.0 MN47.0 MN48.0 MN49.0 MN50.0 MN51.0 MN52.0 MN53.0 MN54.0 MN55.0 MN56.0 MN57.0 MN58.0 MN59.0 MN60.0 MN61.0 MN62.0 MN63.0 MN64.0 MN65.0 MN66.0 MN67.0 MN68.0 MN69.0 MN70.0 MN71.0 MN72.0 MN73.0 MN74.0 MN75.0 MN76.0 MN77.0 MN78.0 MN79.0 MN80.0 MN81.0 MN82.0 MN83.0 MN84.0 MN85.0 MN86.0 MN87.0 MN88.0 MN89.0 MN90.0 MN91.0 MN92.0 MN93.0 MN94.0 MN95.0 MN96.0 MN97.0 MN98.0 MN99.0 MN100.0 MN101.0 MN102.0 MN103.0 MN104.0 MN105.0 MN106.0 MN107.0 MN108.0 MN109.0 MN110.0 MN111.0 MN112.0 P1.A5 P1.A8 P1.A19 P1.A32 P1.B9 P1.B12 P1.B30 R1.0 R2.0 R3.0 R4.0 R5.0 R6.0 R7.0 R8.0 R9.0 R10.0 R11.0 R12.0 R13.0 R14.0 R15.0 R16.0 R17.0 R18.0 R19.0 R20.0 R21.0 R22.0 R23.0 R24.0 R25.0 R26.0 R27.0 R28.0 R29.0 R30.0 R31.0 R32.0 R33.0 R34.0 R35.0 R36.0 R37.0 R38.0 R40.0 R41.0 R44.0 R45.0 R46.0 R47.0 R57.0 R58.0 R61.0 R62.0 R63.0 R64.0 R73.0 R74.0 R75.0 R76.0 R77.0 R78.0 R79.0 R80.0 R81.0 R82.0 R83.0 R84.0 R85.0 R86.0 R87.0 R88.0 R89.0 R90.0 R91.0 R92.0 R93.0 R94.0 R95.0 R96.0 R97.0 R98.0 R99.0 R100.0 R101.0 R102.0 R103.0 R104.0 R105.0 R106.0 R107.0 R108.0 R109.0 R110.0 R111.0 R112.0 R113.0 R114.0 R115.0 R116.0 R117.0 R118.0 R119.0 R120.0 R121.0 R122.0 R123.0 R124.0 R125.0 R126.0 R127.0 R128.0 R129.0 R130.0 R131.0 R132.0 R133.0 R134.0 R135.0 R136.0 R137.0 R138.0 R139.0 R140.0 R141.0 R142.0 R143.0 R144.0 R145.0 R146.0 R147.0 R148.0 R149.0 R150.0 R151.0 R152.0 R153.0 R154.0 R155.0 R156.0 R157.0 R158.0 R159.0 R160.0 R161.0 R162.0 R163.0 R164.0 R165.0 R166.0 R167.0 R168.0 R169.0 R170.0 R171.0 R172.0 R173.0 R174.0 R175.0 R176.0 R177.0 R178.0 R179.0 R180.0 R181.0 R182.0 R183.0 R184.0 R185.0 R186.0 R187.0 R188.0 R189.0 R190.0 R191.0 R193.0 R194.0 R196.0 R197.6 R198.0 R199.0 R200.7 R201.0 R202.0 R204.0 R206.0 R207.0 R208.0 R209.0 R210.0 R211.0 R212.0 R213.0 R214.0 R215.0 R216.0 R217.0 R218.0 R219.0 R220.0 R221.0 R222.0 R223.0 R224.0 R225.0 R226.0 R227.0 R228.0 R229.0 R230.0 R231.0 R232.0 R233.0 R234.0 R235.0 R236.0 R237.0 R238.0 R239.0 R240.0 R241.0 R242.0 R243.0 R244.0 R245.0 R246.0 R247.0 R248.0 R249.0 R250.0 R251.0 R252.0 R253.0 R254.0 R255.0 R256.0 R257.0 R258.0 R259.0 R260.0 R261.0 R262.0 R263.0 R264.0 R265.0 R266.0 R267.0 R268.0 R269.0 R270.0 R271.0 R272.0 R273.0 R274.0 R275.0 R276.0 R277.0 R278.0 R279.0 R280.0 R281.0 R282.0 R283.0 R286.0 R287.0 R288.0 R290.0 R292.0 R293.0 R294.0 R296.0 R297.0 R298.0 R299.0 R300.0 R302.0 R303.0 R304.0 R305.0 R306.0 R307.0 R309.0 R310.0 R311.0 R312.0 R313.0 R314.0 R315.0 R316.0 R317.0 R318.0 R319.0 R320.0 R321.0 R322.0 R323.0 R324.0 R325.0 R326.0 R331.0 R332.0 R333.0 R334.0 R335.0 R336.0 R337.0 R338.0 R339.0 R340.0 R341.0 R342.0 R343.0 R344.0 R345.0 R346.0 R347.0 R348.0 R349.0 R350.0 R351.0 R352.0 R353.0 R354.0 R355.0 R356.0 R357.0 R358.0 R359.0 R360.0 R361.0 R362.0 R363.0 R364.0 R365.0 R366.0 R367.0 R368.0 R369.0 R370.0 R371.0 R372.0 R373.0 R374.0 R375.0 R376.0 R377.0 R378.0 R379.0 R380.0 R381.0 R382.0 R383.0 R384.0 R385.0 R386.0 R387.0 R388.0 R389.0 R390.0 R391.0 R392.0 R393.0 R394.0 R395.0 R396.0 R397.0 R398.0 R399.0 R400.0 R401.0 R402.0 R403.0 R404.0 R405.0 R406.0 R407.0 R408.0 R409.0 R410.0 R411.0 R412.0 R413.0 R414.0 R415.0 R416.0 R417.0 R418.0 R419.0 R420.0 R421.0 R422.0 R423.0 R424.0 R425.0 R426.0 R427.0 R428.0 R429.0 R430.0 R431.0 R432.0 R433.0 R434.0 R435.0 R436.0 R437.0 R438.0 R439.0 R440.0 R441.0 R442.0 R443.0 R444.0 R445.0 R446.0 R447.0 R448.0 R449.0 R450.0 R451.0 R452.0 R453.0 R454.0 R455.0 R456.0 R457.0 R458.0 R459.0 R460.0 R461.0 R462.0 R463.0 R464.0 R465.0 R466.0 R467.0 R468.0 R469.0 R470.0 R471.0 R472.0 R473.0 R474.0 R475.0 R476.0 R477.0 R478.0 R479.0 R480.0 R481.0 R482.0 R483.0 R484.0 R485.0 R486.0 R487.0 R488.0 R489.0 R490.0 R491.0 R492.0 R493.0 R494.0 R495.0 R496.0 R497.0 R498.0 R499.0 R500.0 R501.0 R502.0 R503.0 R504.0 R505.0 R506.0 RA1.0 RA2.0 RA3.0 RA4.0 RA5.0 RA6.0 RA7.0 RA8.0 RA9.0 RA10.0 RA11.0 RA12.0 RA13.0 RA14.0 RA15.0 RA16.0 SW3.3 T1.NC T2.NC T3.1 T3.5 T4.1 T4.5 T5.NC T6.NC T7.1 T7.5 T8.1 T8.5 T9.NC T10.NC T11.NC T12.NC T13.1 T13.5 T14.1 T14.5 T15.NC T16.NC T17.1 T17.5 T18.1 T18.5 T19.NC T20.NC VD1.0 VT13.0 VT14.0 VT15.0 VT16.0 VT17.0 VT18.0 XO2.3 XO4.2 XO4.3 XO4.5 XO4.8 XO4.10 XO5.0 XO5.1 XO6.0 XO6.1 XO7.0 XO7.2 XO8.0 XO8.2 XO9.0 XO9.2 XT1.0 XT2.0

## Text inside footprints (layer, text, board x,y; h text height)
J30: TopOverlay "1" at 73.5,102 h0.55; TopOverlay "19" at 84.8,101.95 h0.55; TopOverlay "2" at 73.325,110.15 h0.55; TopOverlay "20" at 84.65,110.175 h0.55
J31: TopOverlay "12" at 121.14,101.075 h0.55; TopOverlay "6" at 121.19,98.2 h0.55; TopOverlay "1" at 104.39,98.3 h0.55; TopOverlay "7" at 104.315,100.925 h0.55; ASM TOP "12" at 118.965,100.85 h0.55; ASM TOP "1" at 106.44,98.2 h0.55
J32: TopOverlay "7" at 127.15,100.875 h0.55; TopOverlay "12" at 144,101.15 h0.55; TopOverlay "6" at 144,98.35 h0.55; TopOverlay "1" at 127.25,98.25 h0.55; ASM TOP "12" at 141.825,100.925 h0.55; ASM TOP "1" at 129.3,98.275 h0.55
J34: ASM TOP "in" at 88.2,105.225 h0.55
J35: ASM TOP "in" at 64.175,105.175 h0.55
J36: ASM TOP "in" at 69.3,105.2 h0.55
L2: ASM TOP "no polarity" at 148.05,46.85 h0.55
L3: ASM TOP "no polarity" at 148.05,28.625 h0.55
L4: ASM TOP "no polarity" at 117.975,18.75 h0.55
L5: ASM TOP "no polarity" at 169.2,28.288 h0.55
L6: ASM TOP "no polarity" at 136.3,79.225 h0.55
LED1: ASM TOP "C" at 163.425,104.225 h0.55 r90; ASM TOP "A" at 163.425,102.425 h0.55 r90
LED2: ASM TOP "A" at 160.15,102.425 h0.55 r90; ASM TOP "C" at 160.15,104.225 h0.55 r90
LED3: ASM TOP "A" at 157.175,102.425 h0.55 r90; ASM TOP "C" at 157.175,104.225 h0.55 r90
LED4: ASM TOP "A" at 154.275,102.425 h0.55 r90; ASM TOP "C" at 154.275,104.225 h0.55 r90
LED5: ASM TOP "A" at 151.5,102.425 h0.55 r90; ASM TOP "C" at 151.5,104.225 h0.55 r90
LED6: ASM TOP "C" at 148.4,104.225 h0.55 r90; ASM TOP "A" at 148.4,102.425 h0.55 r90
LED7: ASM TOP "C" at 167.175,84.9 h0.55 r90; ASM TOP "A" at 167.175,83.1 h0.55 r90
MECH19: ASM TOP "PCIe bracket assembly : bracket is mounted on the bottom PCB side and screwed in two places." at -1.1,-14.525 h0.9 r90; ASM TOP "Screws are threaded from the top side." at -1.025,67.35 h0.9 r90
SW2: ASM TOP "8" at 151.57,92.75 h0.55 r180; ASM TOP "1" at 151.42,98.825 h0.55 r180